# Altium PCB EVK-NORA-W40.PcbDoc (part 3 of 5)
Units mm, origin at the board's own origin, x right, y up, seen from the top; angles counter-clockwise.
Board outline 100 x 70 mm, 6 copper layers (L1, L2, L3, L4, L5, L6), stack 1.547 mm thick; 404 components, 228 nets, 1172 pads, 1349 vias.
Unrouted connection lines stored in the file: 69.
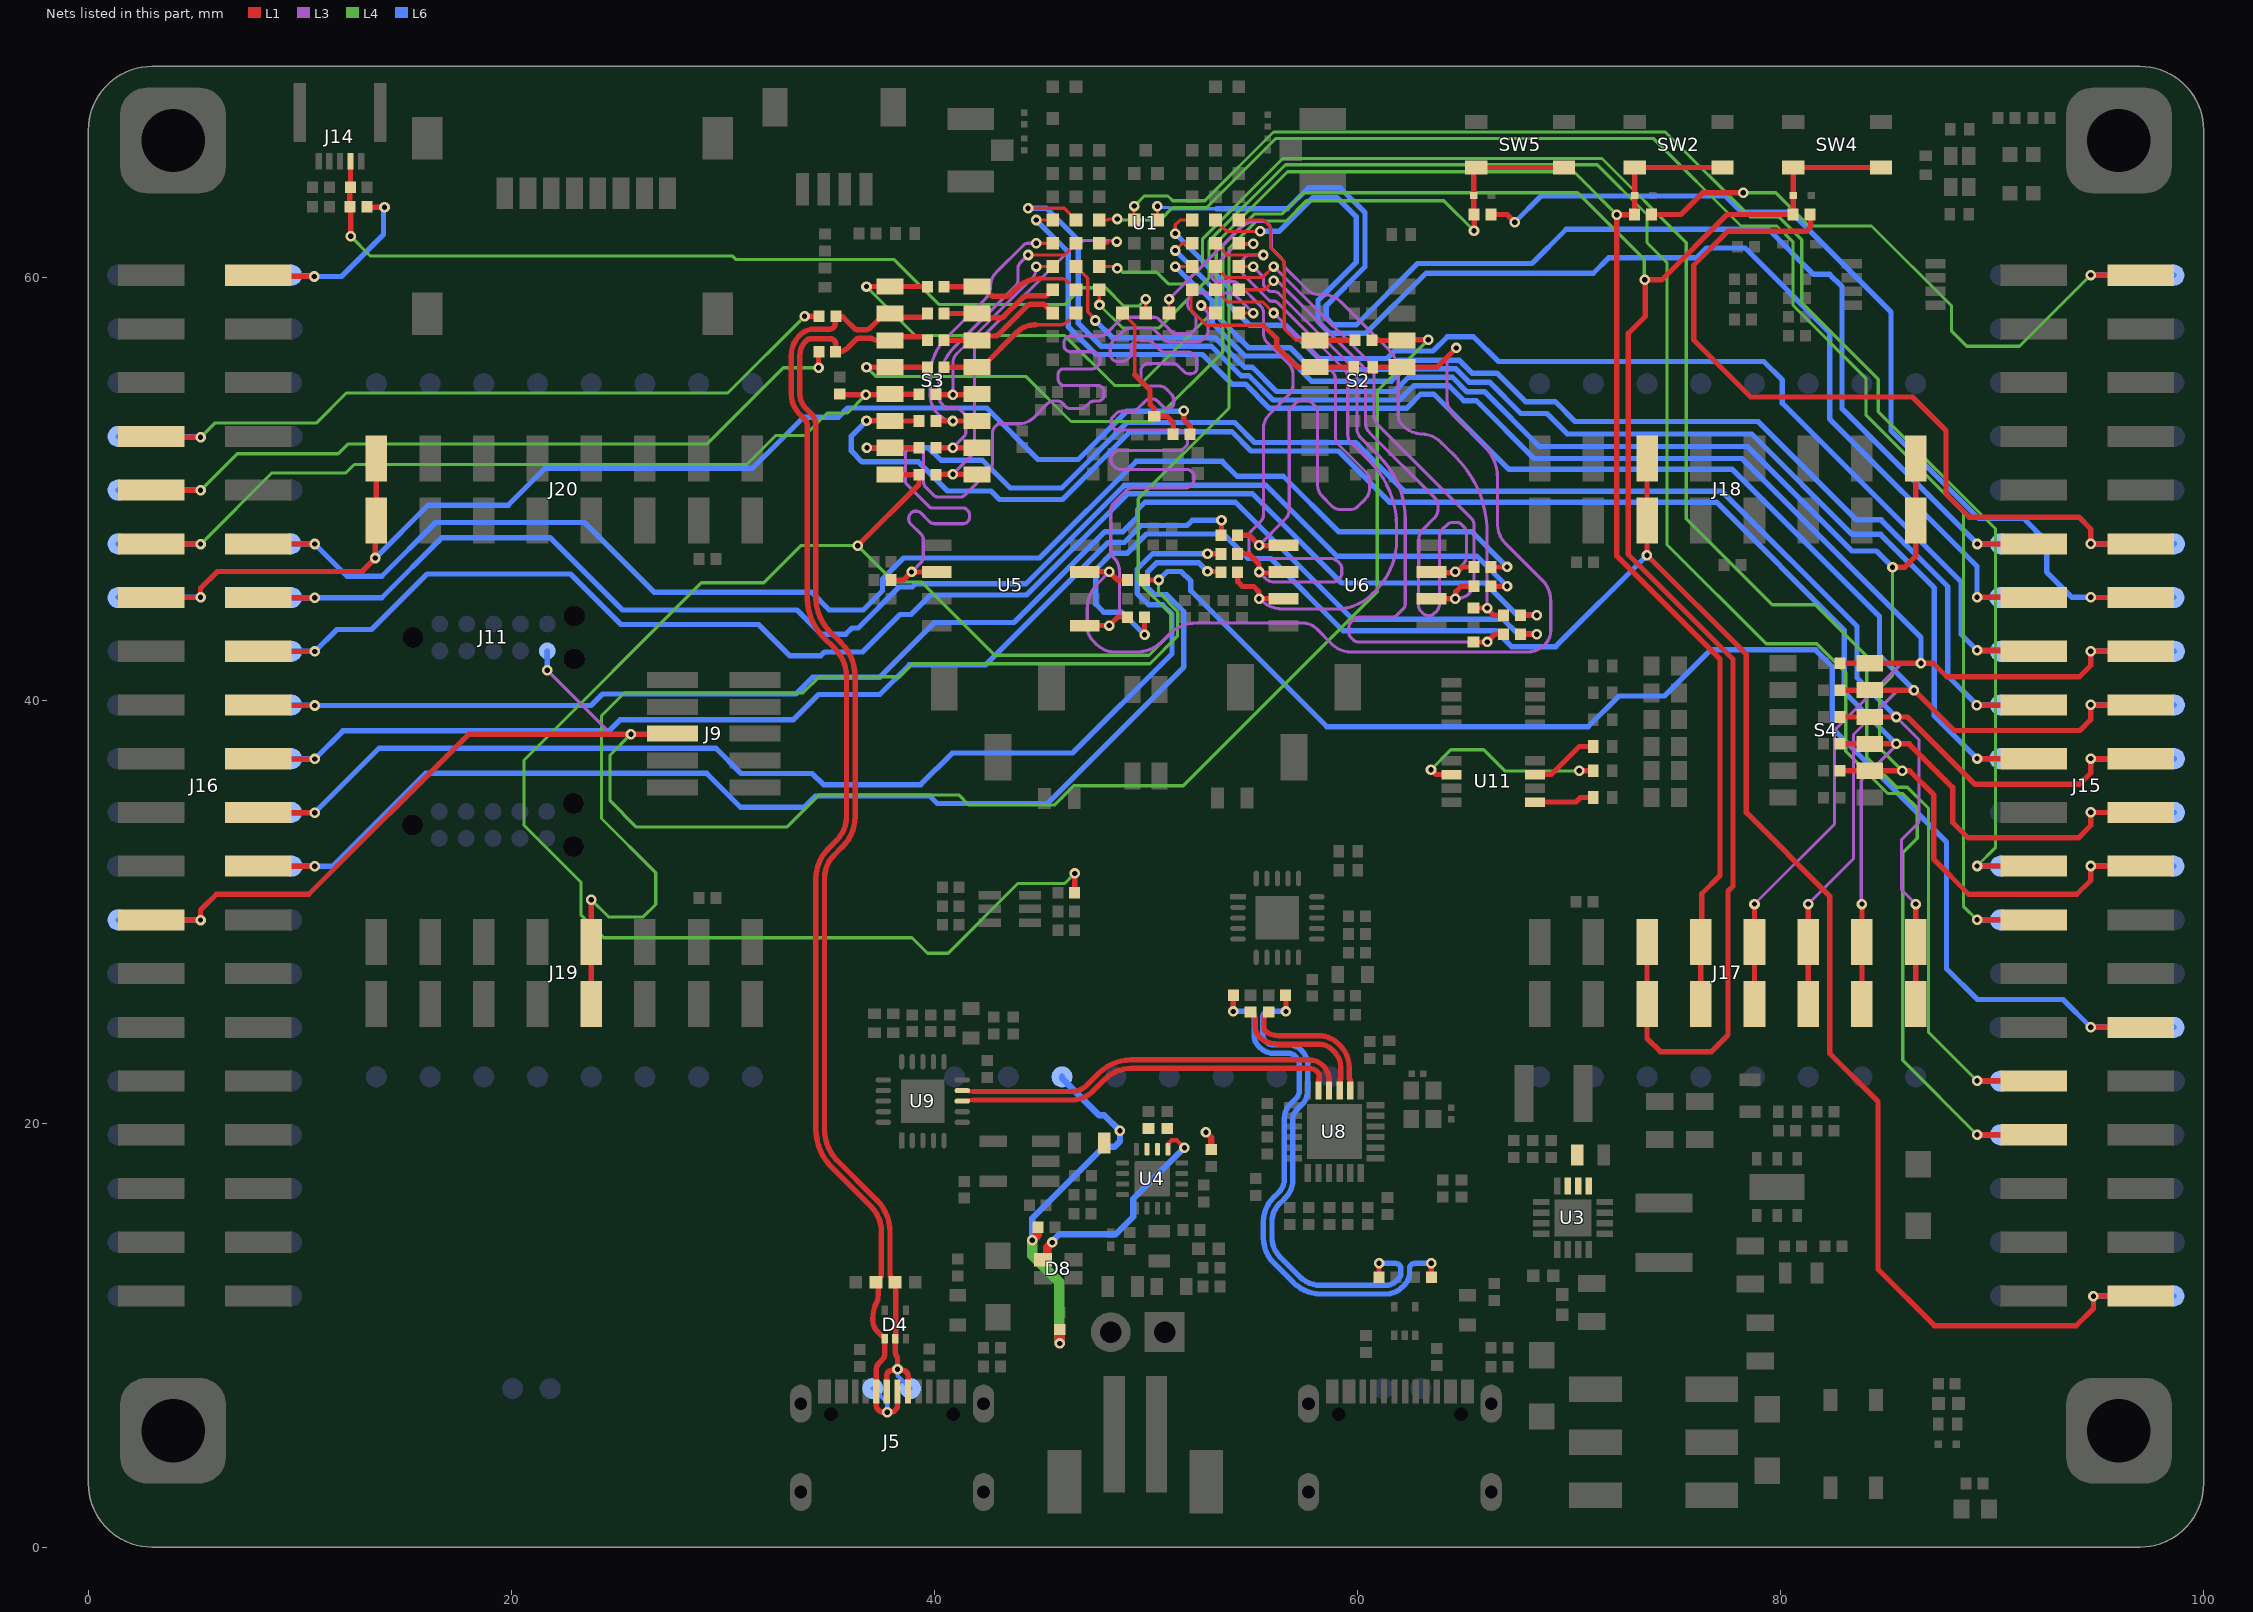
[diagram p7: the nets of this part, all layers, seen from the top]

## Via types
v1: diameter 0.5, hole 0.25, L1 to L6, 1349 vias

## Nets (pads, with @x,y where several pads share a name; then routed paths per layer and width w, separated by ;. In a path a pad name is that pad's centre, name@x,y a point inside that pad or via, vN(x,y) a via of type N, cw(c..) or ccw(c..) an arc to the next point about the centre after c; other vN are vias at no path point) (continued)
C1/IO20/SPI1_MISO: R67.1 U1.C1 U5.2 | length 48.9
  L1 w0.15: U1.C1@54.39,58.34 v1(55.07,58.34)
  L1 w0.25: R67.1@37.944,45.72 38.535,45.72 v1(38.916,46.101) U5.2@40.105,46.101
  L3 w0.15: v1(38.916,46.101) 39.371,46.557 ccw(c39.13,46.799) 39.472,46.799 39.472,47.631 ccw(c39.117,47.631) 39.368,47.881 ; 39.368,47.881 38.857,48.392 cw(c39.028,48.563) 38.786,48.563 38.786,48.663 cw(c39.038,48.663) 38.86,48.842 38.934,48.916 cw(c39.067,48.782) 39.067,48.971 39.157,48.971 cw(c39.157,48.703) 39.347,48.893 39.751,48.489 ccw(c40.004,48.741) 40.004,48.384 41.361,48.384 ccw(c41.361,48.658) 41.555,48.464 41.566,48.475 ccw(c41.35,48.692) 41.656,48.692 41.656,48.818 ccw(c41.41,48.818) 41.584,48.993 41.512,49.065 ccw(c41.369,48.922) 41.369,49.124 39.91,49.124 cw(c39.91,49.384) 39.726,49.2 ; 39.726,49.2 38.708,50.217 cw(c38.916,50.425) 38.622,50.425 38.622,51.717 cw(c38.772,51.717) 38.772,51.867 39.336,51.867 cw(c39.336,51.717) 39.486,51.717 39.486,50.369 ccw(c39.89,50.369) 39.604,50.084 39.956,49.731 ccw(c40.183,49.958) 40.183,49.637 41.196,49.637 ccw(c41.196,49.964) 41.427,49.733 ; 41.427,49.733 42.601,50.906 ; 42.601,50.907 ccw(c42.244,51.263) 42.748,51.263 42.748,52.705 cw(c43.116,52.705) 42.856,52.965 42.939,53.048 cw(c43.092,52.895) 43.092,53.111 44.024,53.111 ccw(c44.024,54.017) 44.664,53.377 45.36,54.073 cw(c45.615,53.817) 45.615,54.178 45.834,54.178 cw(c45.834,53.886) 46.041,54.093 46.236,53.897 ccw(c46.416,54.077) 46.416,53.823 46.914,53.823 ccw(c46.914,54.165) 47.156,53.923 47.323,54.09 ; 46.193,57.115 ccw(c46.356,56.953) 46.126,56.953 46.126,56.781 ccw(c46.34,56.781) 46.189,56.63 46.227,56.592 ccw(c46.414,56.779) 46.414,56.515 47.496,56.515 cw(c47.496,56.265) 47.673,56.442 47.75,56.364 cw(c47.563,56.176) 47.828,56.176 47.828,56.053 cw(c47.595,56.053) 47.76,55.888 47.664,55.792 cw(c47.447,56.009) 47.447,55.702 46.076,55.702 ccw(c46.076,55.5) 45.933,55.643 ccw(c46.141,55.435) 45.847,55.435 45.847,55.229 ccw(c46.176,55.229) 45.943,54.996 45.966,54.974 ccw(c46.108,55.116) 46.108,54.915 47.716,54.915 cw(c47.716,54.624) 47.921,54.83 cw(c47.716,54.624) 48.006,54.624 48.006,54.452 cw(c47.733,54.452) 47.926,54.258 ; 46.194,57.116 46.261,57.183 cw(c46.427,57.018) 46.427,57.252 47.842,57.252 ccw(c47.842,57.648) 48.122,57.368 ; 47.323,54.09 cw(c47.535,53.878) 47.535,54.178 47.733,54.178 ccw(c47.733,54.452) 47.926,54.258 ; 48.122,57.368 48.743,57.988 cw(c49.111,57.62) 49.111,58.141 50.397,58.141 cw(c50.397,57.843) 50.608,58.053 51.21,57.452 ccw(c51.386,57.628) 51.386,57.379 52.019,57.379 ccw(c52.019,57.624) 52.192,57.45 ; 52.05,59.06 ccw(c52.248,58.863) 51.968,58.863 51.968,58.747 ccw(c52.298,58.747) 52.065,58.514 52.287,58.291 ; 52.05,59.061 52.199,59.209 cw(c52.379,59.029) 52.379,59.284 53.954,59.284 cw(c53.954,58.866) 54.248,59.162 ; 52.193,57.45 52.282,57.54 ; 52.282,57.54 ccw(c52.066,57.755) 52.371,57.755 52.371,58.089 ccw(c52.085,58.089) 52.288,58.291 ; 54.249,59.161 55.041,58.369 v1@55.07,58.369
C2/IO18: J15.40 J18.6 R69.2 TP84.1 | length 97.2
  L1 w0.25: v1(49.933,43.133) R69.2@49.933,43.967 ; J18.6@73.69,51.465 J18.6@73.69,48.535 73.69,46.893 v1(73.685,46.888) 78.384,42.189 78.384,34.722 82.321,30.785 82.321,23.343 84.607,21.057 84.607,13.132 87.274,10.465 93.98,10.465 94.793,11.278 v1(94.793,11.862) ; v1@94.801,11.87 J15.40@97.025,11.87
  L6 w0.25: v1(49.933,43.133) 48.87,44.196 48.006,44.196 47.625,44.577 47.625,46.218 48.397,46.99 49.124,46.99 50.032,47.898 53.664,47.898 54.827,46.736 55.905,46.736 59.32,43.322 66.533,43.322 67.285,42.57 69.367,42.57 v1(73.685,46.888) ; v1(94.793,11.862) 94.801,11.87 TP84.1@98.6,11.87
C2/IO18/SPI1_MOSI: R69.1 U1.C2 U5.5 | length 48.8
  L1 w0.15: v1(52.603,58.699) 52.7,58.699 52.835,58.565 53.065,58.565 U1.C2@53.29,58.34
  L1 w0.25: U5.5@47.069,43.563 47.071,43.565 v1(48.26,43.565) 48.663,43.967 R69.1@49.133,43.967
  L3 w0.15: v1(48.26,43.565) 48.601,43.906 ccw(c48.26,44.247) 48.743,44.247 48.743,46.159 ; 48.336,49.04 48.336,47.042 ccw(c48.643,47.041) 48.426,46.824 48.497,46.753 cw(c47.904,46.16) 48.743,46.159 ; 48.336,49.041 cw(c48.78,49.041) 48.467,49.356 49.039,49.928 ; 48.395,56.177 cw(c48.6,56.381) 48.311,56.381 48.311,56.72 cw(c48.675,56.72) 48.417,56.977 ; 48.395,56.176 48.434,56.137 ; 48.418,56.977 48.92,57.48 cw(c49.288,57.112) 49.288,57.633 50.182,57.633 cw(c50.182,57.305) 50.413,57.537 ; 48.435,56.137 ccw(c48.627,56.33) 48.627,56.058 48.912,56.058 ccw(c48.912,56.323) 49.1,56.136 49.217,56.253 ccw(c49.014,56.456) 49.301,56.456 49.301,56.746 cw(c49.542,56.746) 49.372,56.915 ; 49.039,49.928 cw(c49.366,49.6) 49.366,50.063 51.834,50.063 ccw(c51.834,50.387) 52.063,50.158 52.19,50.285 ccw(c51.99,50.486) 52.273,50.486 52.273,50.624 ccw(c52.032,50.624) 52.203,50.794 52.132,50.865 ccw(c51.921,50.654) 51.921,50.952 48.785,50.952 cw(c48.785,51.299) 48.54,51.054 48.411,51.183 cw(c48.591,51.363) 48.336,51.363 48.336,51.471 cw(c48.617,51.471) 48.418,51.67 48.531,51.782 cw(c48.674,51.64) 48.674,51.841 51.578,51.841 ccw(c51.578,52.092) 51.756,51.915 51.893,52.052 ccw(c51.712,52.234) 51.968,52.234 51.968,52.422 ccw(c51.698,52.422) 51.889,52.613 51.81,52.692 ; 49.372,56.916 49.451,56.995 cw(c49.642,56.804) 49.642,57.074 50.047,57.074 cw(c50.047,56.727) 50.292,56.972 50.682,56.582 ccw(c50.906,56.806) 50.906,56.49 51.991,56.49 cw(c51.991,56.115) 52.256,56.38 52.31,56.325 ; 49.623,53.839 cw(c49.276,54.186) 49.276,53.696 48.841,53.696 ccw(c48.841,53.336) 48.586,53.59 48.444,53.448 ccw(c48.694,53.198) 48.341,53.198 ccw(c48.763,53.198) 48.464,52.899 ccw(c48.688,53.124) 48.688,52.807 51.534,52.807 cw(c51.534,52.415) 51.81,52.692 ; 49.623,53.839 49.962,54.178 cw(c50.207,53.933) 50.207,54.28 50.298,54.28 cw(c50.298,53.926) 50.548,54.176 50.837,53.887 ccw(c50.993,54.043) 50.993,53.823 51.054,53.823 ccw(c51.054,54.068) 51.227,53.894 51.242,53.909 ccw(c51.075,54.077) 51.312,54.077 51.312,54.213 ccw(c50.853,54.213) 51.177,54.537 50.959,54.756 ccw(c50.636,54.433) 50.636,54.889 50.141,54.889 cw(c50.141,55.138) 49.965,54.962 49.828,55.1 ; 49.828,55.1 cw(c49.995,55.267) 49.759,55.267 49.759,55.631 cw(c49.991,55.631) 49.827,55.796 49.895,55.864 cw(c50.118,55.641) 50.118,55.956 51.276,55.956 cw(c51.276,55.634) 51.504,55.862 51.805,55.561 ; 50.413,57.537 50.861,57.089 ccw(c51.143,57.371) 51.143,56.972 52.405,56.972 ccw(c52.405,57.328) 52.657,57.077 52.829,57.248 ccw(c52.575,57.502) 52.934,57.502 52.934,58.251 ccw(c52.649,58.251) 52.85,58.452 v1(52.603,58.699) ; 51.805,55.561 ccw(c52.016,55.771) 52.016,55.474 52.143,55.474 ccw(c52.143,55.727) 52.322,55.548 52.342,55.568 ccw(c52.201,55.708) 52.4,55.708 52.4,56.109 ccw(c52.094,56.109) 52.311,56.325
C4/SPI2_CS1: R81.2 R82.2 U1.C4 | length 31.5
  L1 w0.15: U1.C4@51.09,58.34 v1(51.09,59.004)
  L1 w0.25: R81.2@65.484,44.393 v1(66.129,44.393) 66.129,44.351 66.421,44.059 66.895,44.059 R82.2@66.906,44.048
  L3 w0.15: v1(51.09,59.004) 54.413,62.327 cw(c55.274,61.466) 55.274,62.684 55.39,62.684 ccw(c55.389,62.834) 55.4,62.684 cw(c55.436,62.187) 55.934,62.187 55.934,61.712 55.934,61.494 ccw(c56.171,61.494) 56.003,61.328 56.109,61.222 56.109,61.214 56.435,60.888 cw(c56.18,60.633) 56.54,60.633 ccw(c56.793,60.633) 56.614,60.454 57.615,59.453 ccw(c58.207,60.042) 58.21,59.207 58.361,59.207 cw(c58.363,57.948) 59.255,58.838 59.256,58.836 60.153,57.94 61.475,56.618 cw(c60.389,55.529) 61.926,55.543 61.926,53.49 ccw(c62.535,53.49) 62.105,53.06 62.257,52.908 ccw(c63.168,54.159) 63.16,52.611 cw(c63.159,52.461) 63.177,52.61 cw(c63.015,51.306) 63.944,52.235 64.173,52.006 64.641,51.539 cw(c61.057,47.95) 66.129,47.95 v1(66.129,44.393)
C4_O: J16.16 R82.1 TP100.1 | length 71
  L1 w0.25: J16.16@8.025,42.35 8.033,42.342 v1(10.7,42.342) ; R82.1@67.706,44.048 v1(68.474,44.048)
  L6 w0.25: TP100.1@9.599,42.35 9.603,42.346 10.696,42.346 v1(10.7,42.342) 11.741,43.383 13.386,43.383 16.002,45.999 22.784,45.999 25.171,43.612 31.678,43.612 33.147,42.143 34.625,42.143 34.798,42.316 36.601,42.316 38.375,44.09 38.897,44.09 39.816,45.009 44.35,45.009 49.141,49.799 55.027,49.799 59.251,45.575 66.033,45.575 67.559,44.048 v1(68.474,44.048)
C5/NFC1: C34.2 J14.2 R85.2 U1.C5 | length 44
  L1 w0.15: U1.C5@49.99,58.34 v1(49.99,59.004)
  L1 w0.25: C34.2@12.373,64.287 12.39,64.304 J14.2@12.39,65.518 ; C34.2@12.379,64.282 12.359,64.262 12.359,63.381 12.395,63.345 v1(12.395,61.976)
  L4 w0.15: v1(12.395,61.976) 13.335,61.036 30.458,61.036 30.628,60.866 38.092,60.866 40.208,58.75 46.177,58.75 46.965,59.538 48.092,59.538 48.955,58.674 49.66,58.674 v1(49.99,59.004)
C5_O: J16.2 R85.1 TP85.1 | length 10
  L1 w0.25: J16.2@8.025,60.13 8.084,60.071 v1(10.672,60.071) ; R85.1@13.173,63.367 13.192,63.348 v1(13.995,63.348)
  L6 w0.25: TP85.1@9.6,60.13 9.63,60.1 10.642,60.1 v1(10.672,60.071) 11.963,60.071 13.946,62.054 13.946,63.298 v1(13.995,63.348)
C6/IO0: J16.13 J20.1 R21.2 TP97.1 | length 64.6
  L1 w0.25: J16.13@2.975,44.89 v1@5.283,44.89 ; v1(5.3,44.907) 5.3,45.33 6.096,46.126 12.929,46.126 v1(13.564,46.761) 13.564,48.489 J20.1@13.61,48.535 J20.1@13.61,51.465 ; v1(51.791,53.721) 51.791,53.289 52.085,52.994 R21.2@52.085,52.603
  L6 w0.25: TP97.1@1.4,44.89 1.409,44.899 5.291,44.899 v1(5.3,44.907) ; v1(13.564,46.761) 16.057,49.255 19.842,49.255 21.59,51.003 31.394,51.003 33.807,53.416 35.458,53.416 35.89,53.848 42.469,53.848 44.903,51.414 46.796,51.414 49.077,53.696 51.765,53.696 v1(51.791,53.721)
C6/IO0/X_LP_P: R11.1 R21.1 U1.C6 | length 7.1
  L1 w0.15: U1.C6@48.89,58.34 49.465,57.765 49.465,55.437
  L1 w0.25: 49.465,55.437 50.19,54.712 50.19,54.024 50.368,53.847 50.368,53.485 R11.1@50.394,53.46 50.985,53.46 51.285,53.159 R21.1@51.285,52.603
C8: R12.2 S3.5 U1.C8 | length 7.2
  L1 w0.15: 44.755,57.785 45.923,57.785 ccw(c45.923,58.296) 46.285,57.935 U1.C8@46.69,58.34
  L1 w0.255: R12.2@40.459,55.778 41.997,55.778 S3.5@42.002,55.783 42.257,55.783 43.935,57.461 cw(c44.716,56.68) 44.716,57.785 44.755,57.785
C8/IO13: J15.12 R60.1 TP55.1 | length 41.6
  L1 w0.25: R60.1@81.401,63 81.432,62.969 81.432,62.433 81.204,62.205 77.495,62.205 75.895,60.604 75.895,57.074 78.594,54.375 86.239,54.375 87.825,52.789 87.825,49.792 88.925,48.692 94.107,48.692 94.666,48.133 v1(94.666,47.438) ; v1@94.763,47.341 94.853,47.43 J15.12@97.025,47.43
  L6 w0.15: TP55.1@98.621,47.434 TP55.1@98.625,47.43
  L6 w0.25: v1(94.666,47.438) 94.67,47.434 TP55.1@98.621,47.434
C8/IO13/SW2: D11.1 J17.6 R12.1 R60.2 S3.12 SW4.1 SW4.2 | length 112.3
  L1 w0.25: v1(36.787,55.783) S3.12@37.902,55.783 39.654,55.783 R12.1@39.659,55.778 ; J17.6@73.69,28.605 J17.6@73.69,25.675 73.69,24.049 74.32,23.419 76.733,23.419 77.521,24.206 77.521,31.013 77.749,31.242 77.749,41.976 72.8,46.925 72.8,57.382 73.609,58.191 73.609,59.893 v1(73.584,59.919) 74.397,59.919 77.478,63 R60.2@80.601,63 80.601,63.895 D11.1@80.606,63.9 80.606,65.215 SW4.2@80.602,65.219 SW4.1@84.752,65.219
  L4 w0.15: v1(36.787,55.783) 37.223,55.347 44.323,55.347 46.457,53.213 50.343,53.213 53.625,56.495 53.625,61.531 55.111,63.017 56.413,63.017 57.429,64.033 70.409,64.033 73.558,60.884 73.558,59.944 v1(73.584,59.919)
C9: R13.2 S3.6 U1.C9 | length 6
  L1 w0.255: R13.2@40.459,57.048 41.997,57.048 S3.6@42.002,57.053 cw(c42.497,56.559) 42.497,57.258 42.852,57.258 ccw(c42.852,57.513) 43.033,57.333 44.376,58.676 cw(c44.556,58.495) 44.556,58.75 45.18,58.75 U1.C9@45.59,58.34
C9/IO13: J16.9 R1.2 TP93.1 | length 38.4
  L1 w0.25: J16.9@2.975,49.97 v1@5.123,49.97 ; v1(34.519,55.753) 34.519,56.506 R1.2@34.528,56.515
  L4 w0.15: v1(5.3,49.962) 7.027,51.689 11.804,51.689 12.261,52.146 29.235,52.146 32.842,55.753 v1(34.519,55.753)
  L6 w0.25: TP93.1@1.4,49.97 1.404,49.966 5.296,49.966 v1(5.3,49.962)
C9/IO13/USB_p: C2.1 D4.2 J5.A6 J5.B6 R1.1 R13.1 S3.11 TP3.1 | length 61.8
  L1 w0.255: 34.986,43.348 cw(c36.73,44.912) 34.395,45.099 34.395,52.974 ccw(c33.463,52.976) 34.119,53.638 33.907,53.85 cw(c34.563,54.509) 33.633,54.511 33.633,56.345 cw(c34.558,56.341) 33.875,56.965 33.876,56.967 ccw(c33.574,57.236) 33.89,56.983 cw(c34.297,56.653) 33.988,57.076 cw(c34.138,56.87) 34.138,57.125 35.073,57.125 cw(c35.073,56.87) 35.328,56.87 R1.1@35.328,56.515 35.461,56.515 ccw(c35.461,57.122) 35.89,56.693 36.273,57.075 cw(c36.453,56.895) 36.453,57.15 36.958,57.15 cw(c36.957,56.895) 37.085,57.116 ccw(c37.318,57.518) 37.318,57.053 S3.11@37.902,57.053 38.075,57.226 39.481,57.226 R13.1@39.659,57.048 ; 34.987,43.347 ccw(c35.176,43.518) 34.995,43.339 35.576,42.758 35.578,42.756 cw(c33.972,41.148) 36.244,41.148 36.244,34.534 cw(c34.242,34.534) 35.658,33.118 cw(c34.242,34.534) 35.654,33.114 35.26,32.72 cw(c35.079,32.9) 35.259,32.719 ccw(c36.366,31.609) 34.799,31.609 34.799,19.765 ccw(c36.966,19.764) 35.344,18.327 ; 35.344,18.326 ccw(c35.534,18.496) 35.355,18.315 37.267,16.403 cw(c35.768,14.891) 37.897,14.887 37.897,12.945 cw(c37.642,12.946) 37.897,12.942 ccw(c38.318,12.936) 38.021,12.637 C2.1@38.136,12.522 38.176,12.35 38.176,9.95 cw(c37.921,9.952) 38.176,9.942 38.173,9.938 D4.2@38.151,9.841 38.151,9.211 ccw(c38.498,9.211) 38.234,8.986 cw(c38.054,8.903) 38.252,8.903 v1(38.252,8.407) ; J5.A6@37.75,7.355 37.75,8.118 cw(c37.981,8.118) 37.817,8.281 cw(c37.98,8.118) 37.98,8.348 38.193,8.348 v1(38.252,8.407) ; J5.B6@38.75,7.355 38.75,8.084 ccw(c38.475,8.084) 38.67,8.278 38.66,8.288 ccw(c38.513,8.14) 38.513,8.348 38.311,8.348 v1(38.252,8.407)
  L6 w0.2: v1(38.252,8.407) 38.252,8.103 TP3.1@38.862,7.493
CHRG_N: D8.4 U4.9 | length 10.9
  L1 w0.2: U4.9@51.043,18.81 51.043,19.064 51.206,19.228 51.46,19.228 v1(51.816,18.872)
  L1 w0.4: D8.4@45.122,13.582 45.339,13.799 45.339,14.173 v1(45.568,14.402)
  L6 w0.3: v1(45.568,14.402) 45.568,14.453 45.898,14.783 48.565,14.783 49.403,15.621 49.403,16.459 v1(51.816,18.872)
CHRG_OUT: C22.1 C23.1 R45.1 R48.2 R55.2 R56.2 TP6.1 U4.10 U4.11 | length 18.7
  L1 w0.3: v1(52.832,19.609) 53.086,19.355 R48.2@53.086,18.79
  L1 w0.4: v1(44.628,14.503) 44.888,14.764 R55.2@44.888,15.113
  L1 w0.5: v1(45.923,9.627) R56.2@45.923,10.293
  L4 w0.5: v1(44.628,14.503) 44.628,13.792 45.899,12.521 v1@45.899,9.651
  L6 w0.3: v1(44.628,14.503) 44.628,15.545 48.006,18.923 48.514,18.923 48.768,19.177 v1(48.768,19.685) 48.031,20.422 47.777,20.422 46.029,22.17 TP6.1@46.029,22.231
CTS: R129.1 U11.7 | length 3.3
  L1 w0.25: U11.7@68.396,36.52 69.159,36.52 70.485,37.846 R129.1@71.15,37.846
D1/SPI2_WP: R77.1 U1.D1 U6.3 | length 31.1
  L1 w0.15: U1.D1@54.39,59.44 55.604,59.44 v1(56.032,59.868)
  L1 w0.25: U6.3@63.819,46.062 64.574,46.062 v1(64.616,46.104) 64.713,46.104 64.947,46.338 R77.1@65.503,46.338
  L3 w0.15: v1@56.21,59.868 60.227,55.851 ; 60.228,55.85 cw(c59.862,55.485) 60.379,55.485 60.379,53.149 ccw(c61.028,53.149) 60.569,52.69 ; 60.569,52.69 63.654,49.605 cw(c63.29,49.241) 63.805,49.241 63.805,49.083 cw(c63.168,49.083) 63.619,48.633 63.102,48.116 ccw(c63.599,47.62) 62.897,47.62 62.89,44.475 ccw(c63.197,44.475) 62.983,44.255 63.107,44.131 ccw(c63.316,44.337) 63.316,44.044 63.424,44.044 ccw(c63.424,44.304) 63.608,44.12 63.738,44.25 ccw(c63.394,44.595) 63.881,44.595 63.881,47.795 cw(c64.329,47.795) 64.012,48.112 64.237,48.336 cw(c64.482,48.091) 64.482,48.438 64.713,48.438 cw(c64.713,48.178) 64.897,48.362 65.049,48.209 cw(c64.804,47.964) 65.151,47.964 65.151,46.834 cw(c64.68,46.834) 65.014,46.502 v1(64.616,46.104)
D1_O: J16.12 R77.2 TP95.1 | length 69.7
  L1 w0.25: J16.12@8.025,47.43 8.033,47.422 v1(10.7,47.422) ; R77.2@66.303,46.338 v1(67.071,46.338)
  L6 w0.25: TP95.1@9.573,47.43 9.577,47.426 10.696,47.426 12.224,45.898 13.868,45.898 16.408,48.438 23.446,48.438 26.74,45.144 34.18,45.144 35.022,44.302 36.631,44.302 37.541,45.212 37.541,45.771 38.532,46.761 44.972,46.761 49.539,51.329 53.598,51.329 54.303,50.624 56.488,50.624 59.106,48.006 65.403,48.006 v1(67.071,46.338)
D2/SPI2_MOSI: R83.1 U1.D2 U6.5 | length 31.2
  L1 w0.15: U1.D2@53.29,59.44 53.865,58.865 55.511,58.865 v1(56.032,58.344)
  L1 w0.25: R83.1@54.336,47.841 54.875,47.841 55.38,47.336 U6.5@56.178,47.336
  L3 w0.15: v1(55.347,47.369) 56.605,48.627 ; v1(56.032,58.344) 58.797,55.579 cw(c58.421,55.202) 58.953,55.202 58.953,52.483 ccw(c59.459,52.483) 59.102,52.125 60.402,50.825 ; 56.605,48.627 ccw(c56.207,49.024) 56.769,49.024 56.769,53.604 cw(c57.175,53.604) 56.887,53.89 ; 56.888,53.891 57.131,54.134 cw(c57.361,53.905) 57.361,54.229 57.574,54.229 cw(c57.574,53.904) 57.804,54.134 58.001,53.937 cw(c57.724,53.66) 58.115,53.66 58.115,50.182 ccw(c58.838,50.187) 58.323,49.679 58.324,49.678 58.77,49.232 ccw(c59.213,49.67) 59.212,49.047 ; 59.213,49.047 59.652,49.047 ccw(c59.652,49.574) 60.024,49.202 60.34,49.517 ccw(c59.76,50.096) 60.579,50.096 60.579,50.397 ccw(c59.974,50.397) 60.403,50.824
D2_O: J16.20 R83.2 TP104.1 | length 52
  L1 w0.25: J16.20@8.025,37.27 8.033,37.262 v1(10.7,37.262) ; R83.2@53.536,47.841 53.569,47.874 v1(53.569,48.539)
  L6 w0.25: TP104.1@9.6,37.27 9.604,37.266 10.696,37.266 v1(10.7,37.262) 12.025,38.587 24.617,38.587 25.146,39.116 33.325,39.116 34.519,40.31 37.414,40.31 38.811,41.707 42.418,41.707 48.209,47.498 48.972,47.498 49.772,48.298 51.943,48.298 52.184,48.539 v1(53.569,48.539)
D3: R14.2 S2.4 U1.D3 | length 10
  L1 w0.15: U1.D3@52.19,59.44 52.124,59.374 52.124,58.501 52.86,57.765 55.544,57.765
  L1 w0.25: 55.544,57.765 56.185,57.125 56.185,56.737 57.138,55.783 S2.4@57.998,55.783 58.003,55.778 R14.2@59.827,55.778
D3/IO22: J15.30 J19.5 R62.2 TP73.1 | length 118.8
  L1 w0.25: J19.5@23.77,25.675 J19.5@23.77,28.605 23.774,28.609 v1(23.774,30.607) ; R62.2@49.936,45.724 49.94,45.72 v1(50.597,45.72) ; v1@94.877,24.57 J15.30@97.025,24.57
  L4 w0.15: v1(23.774,30.607) 24.587,29.794 26.238,29.794 26.822,30.378 26.822,31.877 24.257,34.442 24.257,39.294 25.34,40.377 33.773,40.377 34.544,41.148 38.354,41.148 38.964,41.758 50.19,41.758 51.486,43.053 51.486,44.247 50.597,45.136 v1(50.597,45.72)
  L6 w0.25: v1(50.597,45.72) 51.003,46.126 51.664,46.126 52.121,45.669 52.121,45.212 58.547,38.786 70.911,38.786 72.36,40.235 74.51,40.235 76.693,42.418 81.661,42.418 82.448,41.631 82.448,38.727 87.85,33.325 87.85,27.339 89.306,25.883 93.362,25.883 94.67,24.574 98.593,24.574 TP73.1@98.597,24.57
  other v1: 94.666,24.578
D3/IO22/SP1_HD: R14.1 R62.1 S2.13 U5.7 | length 48.8
  L1 w0.25: U5.7@47.069,46.103 47.071,46.105 v1(48.26,46.105) 48.645,45.72 R62.1@49.133,45.72 ; R14.1@60.727,55.778 62.094,55.778 S2.13@62.098,55.783 62.103,55.778 63.754,55.778 v1(64.668,56.693)
  L3 w0.15: 47.219,43.512 ccw(c48.143,43.512) 47.49,42.858 47.681,42.667 ; 47.219,43.513 47.219,44.333 ; 47.219,44.334 cw(c48.976,44.335) 47.734,45.579 v1(48.26,46.105) ; 47.681,42.667 ccw(c48.533,43.518) 48.533,42.314 ; 48.534,42.314 49.545,42.314 ccw(c49.546,44.048) 50.772,42.822 51.104,43.154 cw(c52.393,41.865) 52.393,43.688 57.418,43.688 cw(c57.418,42.803) 58.042,43.431 cw(c57.418,42.803) 58.043,43.43 58.779,42.694 ccw(c59.699,43.617) 59.699,42.314 68.006,42.314 ccw(c68.007,43.518) 68.858,42.666 ccw(c68.176,43.346) 69.139,43.346 69.139,44.721 ccw(c67.711,44.722) 68.719,45.734 66.964,47.488 cw(c67.778,48.306) 66.624,48.308 66.624,50.529 ; 64.535,53.524 cw(c65.236,54.236) 64.237,54.239 64.237,56.026 cw(c64.804,56.026) 64.402,56.427 v1(64.668,56.693) ; 64.536,53.524 65.979,52.08 cw(c64.44,50.53) 66.624,50.53
D7_O: J15.33 TP77.1 U1.D7 | length 88.4
  L1 w0.15: U1.D7@47.79,59.44 47.79,58.738 v1(47.803,58.725)
  L1 w0.25: v1(89.292,19.498) 91.967,19.498 J15.33@91.975,19.49